# Allegro board TNR_REV00_150306.brd (continued)
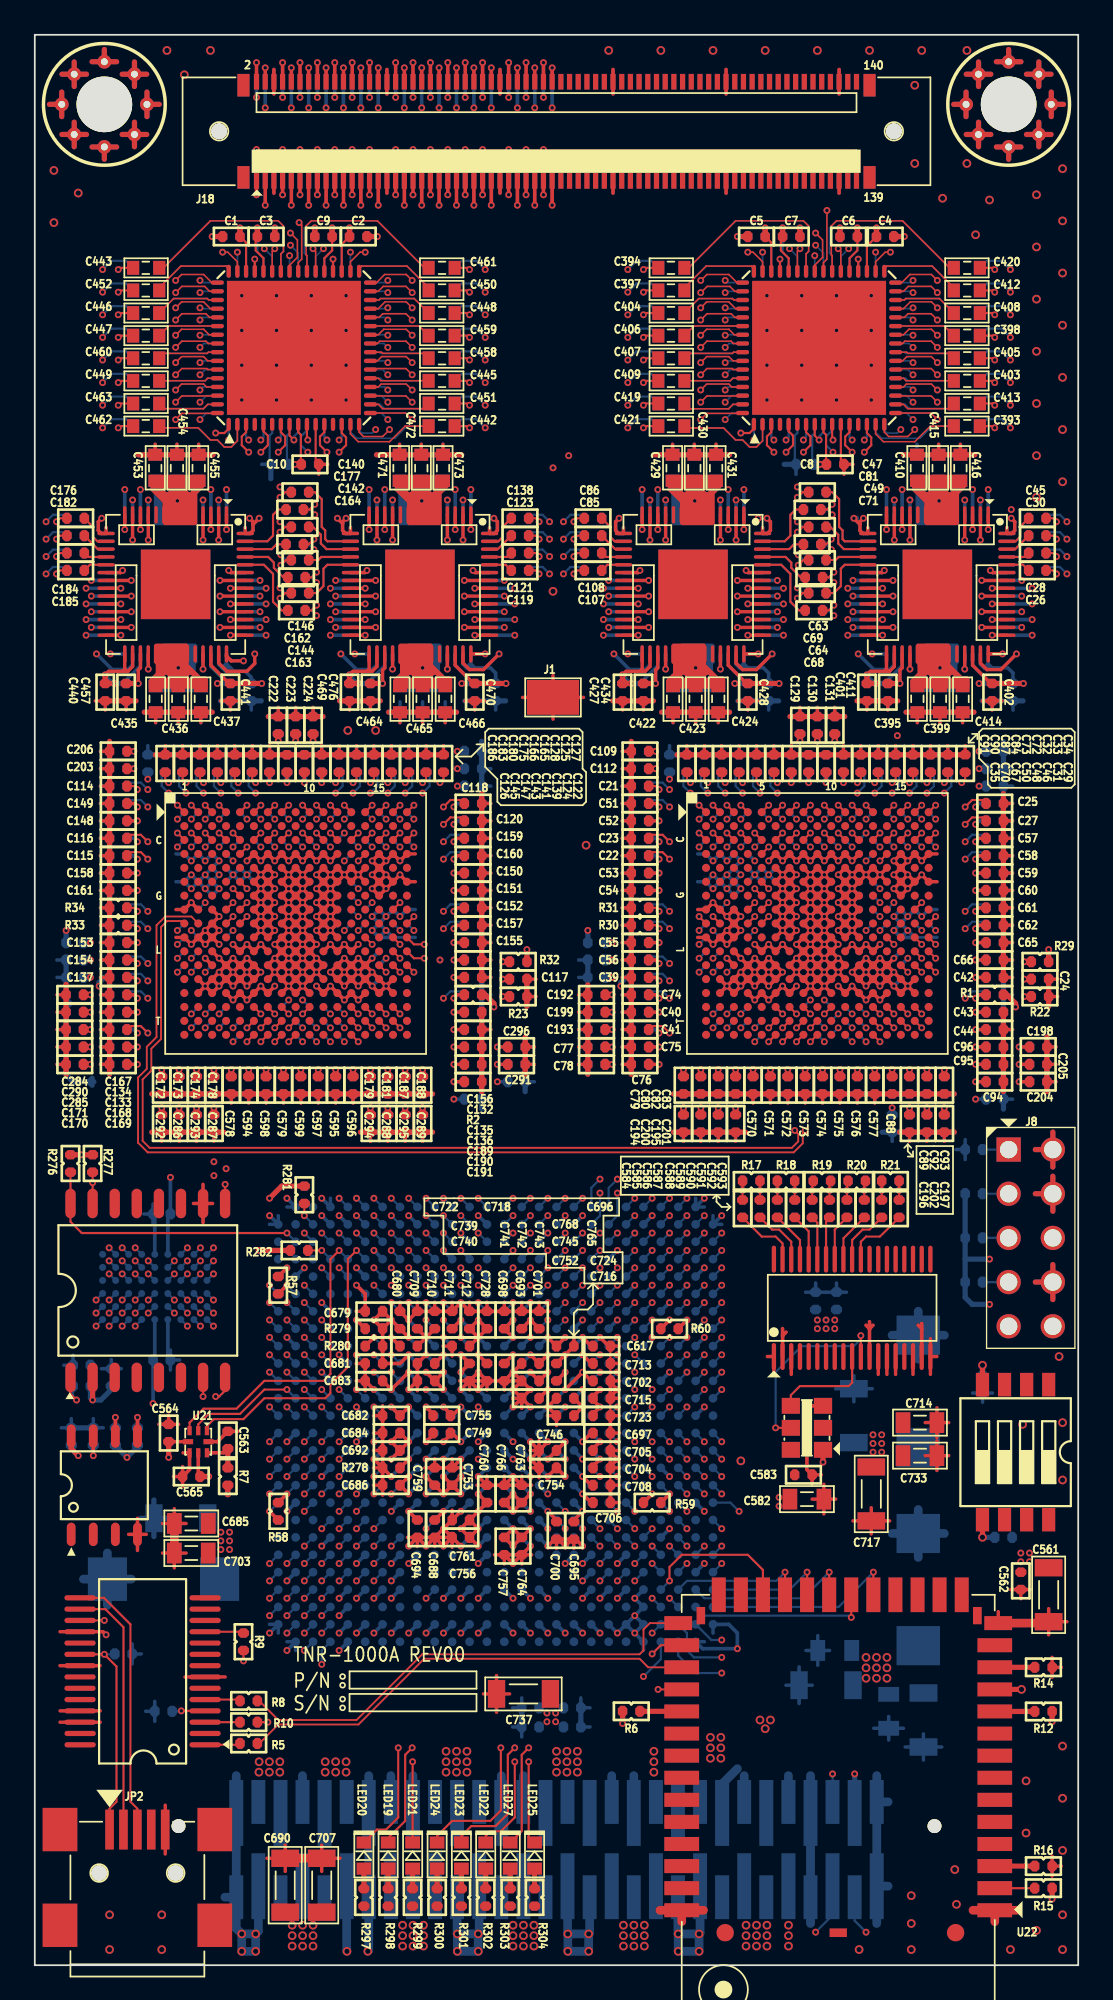
[diagram p0: board, top side]
## Routing (per net, layer and track width the routed paths; a pad name or vN(x,y) marks a point on that pad's centre or on a via; arc(x,y) is an arc through that point) (continued)
  vias: v1(29.45,14.5) v1(29.45,14) v1(29.95,14.5) v1(29.95,14) v1(48.2,30.5) v1(48.2,30) v1(48.2,29.5) v1(48.7,30.5) v1(48.7,30) v1(48.7,29.5) v2(27.5,2.3) v2(27.5,1.7) v2(27.5,1.1) v2(28.1,2.3) v2(28.1,1.7) v2(28.1,1.1) v2(28.7,2.3) v2(28.7,1.7) v2(28.7,1.1)
+D3P3: length 7.9
  TOP w0.3: v1(12.9,41.1) R282.1 ; U28.2 v1(3.33,32.5) ; R277.1 v1(2.7,46.6) R276.1
  BOTTOM w0.3: C618.2 R283.1 3.2,32.62 v1(3.33,32.5) 3.8,32.5 4.4,33.1 C616.2
  vias: v2(21.15,2.3) v2(21.15,1.7) v2(21.15,1.1) v2(21.75,2.3) v2(21.75,1.7) v2(21.75,1.1) v2(22.35,2.3) v2(22.35,1.7) v2(22.35,1.1)
+D3P3_FPGA: length 69.5
  TOP w0.21: C694.1 v1(21.5,26.1) ; C692.1 v1(21.5,30.1) C684.1 v1(20.5,30.1) C692.1 ; C692.1 v1(20.5,29.1) ; v1(27.5,37.1) C698.1 v1(27.5,36.1) ; C688.1 v1(23.5,26.1) ; C693.1 v1(28.5,37.1) C701.1 ; v1(21.5,35.1) 21,34.6 C681.1 R280.2 R279.2 ; C695.1 31,25.6 v1(31.5,26.1) ; v1(31.5,30.1) U88.P8 C697.1 ; v1(32.5,29.1) 32.1,28.7 C704.1 ; v1(31.5,28.1) 32,27.6 C708.1 ; v1(32.5,30.1) 32.1,29.7 C705.1 ; v1(30.5,33.1) v1(31.5,34.1) 32,33.6 C702.1 ; v1(21.5,34.1) v1(20.5,33.1) C683.1 ; v1(31.5,36.1) 32,35.6 C617.2 ; R279.2 v1(19.5,37.1) C679.1 v1(20.5,37.1) ; R279.2 v1(20.5,37.1) ; v1(29.5,26.1) 30,25.6 C700.1 ; v1(20.5,37.1) C680.1 v1(21.5,36.1) ; v1(20.5,32.1) C682.1 v1(21.5,32.1) ; C706.1 32,26.6 v1(31.5,27.1) ; v1(21.5,27.1) C686.1 v1(21.5,28.1) ; v1(30.5,36.1) C696.1 v1(29.5,36.1)
  TOP w0.3: R281.2 14.2,44.8 v1(13.5,44.1)
  5-PWR w0.3: J8.6 58.54,42.83 ; J8.6 58.54,40.81 ; J8.6 57.53,41.82
  BOTTOM w0.21: C680.1 v1(20.5,37.1) ; U88.J18 v1(21.5,36.1) ; U88.T9 v1(31.5,28.1) ; C696.1 v1(30.5,36.1) ; U88.V9 v1(31.5,26.1) ; U88.J9 v1(31.5,36.1) ; U88.V11 v1(29.5,26.1) ; U88.N18 v1(21.5,32.1) ; C698.1 v1(27.5,37.1) ; U88.M10 v1(30.5,33.1) ; C684.1 v1(20.5,30.1) ; U88.H7 v1(33.5,37.1) ; U88.V18 v1(21.5,26.1) ; C692.1 v1(20.5,29.1) ; U88.U18 v1(21.5,27.1) ; U88.J16 v1(23.5,36.1) ; U88.R8 v1(32.5,29.1) ; U88.L18 v1(21.5,34.1) ; U88.P8 v1(32.5,30.1) ; U88.P9 v1(31.5,30.1) ; U88.J13 v1(27.5,36.1) ; U88.R10 v1(30.5,29.1) ; U88.M17 v1(22.5,33.1) ; U88.V16 v1(23.5,26.1) ; R279.2 v1(19.5,37.1) ; C693.1 v1(28.5,37.1) ; U88.J11 v1(29.5,36.1) ; U88.T18 v1(21.5,28.1) ; U88.R17 v1(22.5,29.1) ; U88.U9 v1(31.5,27.1) ; U88.M19 v1(20.5,33.1) ; C682.1 v1(20.5,32.1) ; U88.K18 v1(21.5,35.1) ; U88.L9 v1(31.5,34.1) ; U88.P18 v1(21.5,30.1)
  BOTTOM w0.3: v1(54.9,38) 53.9,38 53.5,38.4 R275.1 53.5,40.6 ; R273.1 R274.1 53.5,40.6 ; 53.5,40.6 v1(54.9,40.6)
  vias: v1(10.7,24.9) v1(10.7,24.4) v1(10.7,23.9) v1(11.2,24.9) v1(11.2,24.4) v1(11.2,23.9) v2(14.8,2.3) v2(14.8,1.7) v2(14.8,1.1) v2(15.4,2.3) v2(15.4,1.7) v2(15.4,1.1) v2(16,2.3) v2(16,1.7) v2(16,1.1)
-A3P3: length 21.3
  TOP w0.2: v1(35.7,73.7) 35.7,74.47 35.83,74.6 U14.31 ; v1(49.75,73.7) 49.75,74.47 49.88,74.6 U13.31 ; 6.08,75.4 6.08,74.6 5.95,74.47 v1(5.95,73.7) ; v1(20,73.7) 20,74.47 20.12,74.6 U16.31
  TOP w0.3: C457.1 v1(5.95,73.7) ; C434.1 v1(35.7,73.7) ; C476.1 v1(20,73.7) ; C411.1 v1(49.75,73.7)
  BOTTOM w0.2: U18.31 10.12,74.67 11.1,73.7 ; U20.31 53.92,74.75 54.98,73.7 ; 40.92,73.7 39.88,74.75 U19.31 ; 25.23,73.7 24.18,74.75 24.18,75.4
  BOTTOM w0.3: v1(24.55,73.7) C503.1 ; C560.1 v1(54.3,73.7) ; v1(40.25,73.7) C543.1 ; v1(10.5,73.7) C518.1
  vias: v2(41.7,14.1) v2(42,13.6) v2(42.3,14.1)
ADCM1: length 56.7
  TOP w0.125: U6.T16 v1(51,53.9)
  8-IN w0.085: v1(51,53.9) 51.16,54.06 51.46,54.06 51.8,54.4 51.8,55.1 51.5,55.4 49.8,55.4 49.5,55.1 47.7,55.1 47.4,54.8 47.4,52.9 47.67,52.63 47.67,50.78 47.59,50.7 47.36,50.7 arc(47.04,50.57) 46.91,50.26 46.91,49.94 arc(46.74,49.77) 46.57,49.94 46.57,50.26 arc(46.44,50.57) 46.13,50.7 45.5,50.7 45.07,50.27 45.07,43.47 40.34,38.74 13.56,38.74 13.5,38.8 v1(13.5,39.1)
  BOTTOM w0.125: U88.F26 v1(13.5,39.1)
ADCM2: length 56.4
  TOP w0.125: U6.T15 v1(50.2,53.9)
  8-IN w0.085: v1(16.5,37.1) 16.5,36.8 16.56,36.74 41.24,36.74 42.6,38.1 49.01,38.1 50.67,39.76 50.67,47.49 arc(51.11,47.93) 51.56,47.49 51.56,47.04 arc(51.73,46.88) 51.9,47.04 51.9,48.1 arc(51.85,48.22) 51.73,48.27 51.11,48.27 arc(50.8,48.4) 50.67,48.71 50.67,51.94 50.33,52.29 50.33,52.57 arc(50.26,52.74) 50.09,52.81 49.73,52.81 arc(49.5,53.04) 49.73,53.27 50.09,53.27 arc(50.26,53.34) 50.33,53.51 50.33,53.77 v1(50.2,53.9)
  BOTTOM w0.125: U88.H23 v1(16.5,37.1)
ADCM3: length 56.2
  TOP w0.125: U6.T14 v1(49.4,53.9)
  12-IN w0.085: v1(20.5,34.1) 20.5,34.4 20.56,34.46 20.81,34.46 21.14,34.79 21.14,44.75 21.31,44.92 29.01,44.92 29.79,45.7 48.2,45.7 48.95,46.45 48.95,49.57 arc(48.5,50.01) 48.06,49.57 48.06,47.14 arc(47.89,46.98) 47.72,47.14 47.72,50.18 arc(47.77,50.3) 47.89,50.35 48.5,50.35 arc(48.81,50.48) 48.95,50.8 48.95,52.16 49.27,52.49 49.27,53.77 v1(49.4,53.9)
  BOTTOM w0.125: U88.L19 v1(20.5,34.1)
ADCM4: length 56.5
  TOP w0.125: U6.U13 v1(48.6,53.1)
  8-IN w0.085: v1(17.5,35.1) 17.2,35.1 17.14,35.04 17.14,34.74 16.9,34.5 16.2,34.5 15.86,34.84 15.86,37.35 16.25,37.74 40.95,37.74 42.39,39.17 48.69,39.17 49.07,39.56 49.07,46.58 arc(49,46.74) 48.84,46.81 47.91,46.81 arc(47.4,47.32) 47.91,47.82 48.84,47.82 arc(49,47.89) 49.07,48.06 49.07,48.39 48.67,48.79 48.67,53.03 v1(48.6,53.1)
  BOTTOM w0.125: U88.K22 v1(17.5,35.1)
ADCM5: length 56.5
  TOP w0.125: U6.U8 v1(43.8,53.1)
  12-IN w0.085: v1(15.5,36.1) 15.5,35.8 15.56,35.74 17.69,35.74 17.86,35.91 17.86,46.16 18.3,46.6 27.71,46.6 28.7,47.59 28.7,49.8 29,50.1 31.53,50.1 arc(31.85,49.97) 31.98,49.66 31.98,49.04 arc(32.15,48.88) 32.32,49.04 32.32,49.66 arc(32.76,50.1) 33.21,49.66 33.21,48.84 arc(33.38,48.67) 33.55,48.84 33.55,49.66 arc(33.99,50.1) 34.43,49.66 34.43,48.74 arc(34.6,48.58) 34.77,48.74 34.77,49.66 arc(35.22,50.1) 35.66,49.66 35.66,48.74 arc(35.83,48.58) 36,48.74 36,49.66 arc(36.13,49.97) 36.45,50.1 42.52,50.1 arc(42.64,50.15) 42.69,50.27 42.69,50.33 arc(42.86,50.5) 43.03,50.33 43.03,50.27 arc(43.08,50.15) 43.2,50.1 43.41,50.1 43.67,50.36 43.67,50.6 43.57,50.7 43.3,50.7 43.21,50.79 43.21,50.91 43.3,51 43.6,51 43.67,51.07 43.67,52.07 43.92,52.33 43.92,52.98 v1(43.8,53.1)
  BOTTOM w0.125: U88.J24 v1(15.5,36.1)
ADCM6: length 56.6
  TOP w0.125: U6.U7 v1(43,53.1)
  12-IN w0.085: v1(18.5,33.1) 18.84,33.44 18.84,33.56 18.78,33.62 17.31,33.62 17.15,33.47 15.23,33.47 14.86,33.84 14.86,36.46 15.14,36.74 16.65,36.74 16.86,36.95 16.86,46.86 17.3,47.3 27.27,47.3 27.9,47.93 27.9,50.6 28.3,51 29.49,51 arc(29.61,51.05) 29.66,51.17 29.66,51.76 arc(30.11,52.2) 30.55,51.76 30.55,51.17 arc(30.72,51) 30.89,51.17 30.89,51.76 arc(31.33,52.2) 31.78,51.76 31.78,51.17 arc(31.83,51.05) 31.95,51 33.88,51 arc(34,51.05) 34.05,51.17 34.05,51.33 arc(34.22,51.5) 34.39,51.33 34.39,51.17 arc(34.44,51.05) 34.56,51 42.4,51 42.67,51.27 42.67,52.16 43.12,52.61 43.12,52.98 v1(43,53.1)
  BOTTOM w0.125: U88.M21 v1(18.5,33.1)
ADCM7: length 56.7
  TOP w0.125: U6.R6 v1(43,54.7)
  8-IN w0.085: v1(18.5,32.1) 18.14,32.46 14.25,32.46 12.82,33.89 12.82,39.31 13.25,39.74 39.94,39.74 42.07,41.87 42.07,46.76 42.67,47.36 42.67,52.53 42.6,52.6 42.6,54.3 v1(43,54.7)
  BOTTOM w0.125: U88.N21 v1(18.5,32.1)
ADCM8: length 56.4
  TOP w0.125: U6.U6 v1(42.2,53.1)
  12-IN w0.085: v1(17.5,32.1) 17.24,32.1 17.14,32.2 17.14,32.45 16.85,32.74 14.36,32.74 14.13,32.97 14.13,37.25 14.35,37.46 15.76,37.46 16.14,37.84 16.14,47.55 16.31,47.73 27.02,47.73 27.38,48.08 27.38,53.09 27.51,53.23 27.97,53.23 arc(28.09,53.18) 28.14,53.06 28.14,52.64 arc(28.58,52.2) 29.03,52.64 29.03,53.06 arc(29.08,53.18) 29.19,53.23 32.29,53.23 32.48,53.04 32.48,52.42 32.74,52.16 41.76,52.16 42,52.4 42.4,52.4 42.49,52.49 42.49,52.61 42.4,52.7 42.17,52.7 42.08,52.8 42.08,52.98 v1(42.2,53.1)
  BOTTOM w0.125: U88.N22 v1(17.5,32.1)
ADCM9: length 56.5
  TOP w0.125: U8.T16 v1(21,53.9)
  4-IN w0.085: v1(15.5,29.1) 15.5,29.4 15.56,29.46 21.76,29.46 22.14,29.84 22.14,44.39 23.68,45.92 23.68,52.61 23.41,52.88 22.99,52.88 22.73,52.61 22.73,46.51 22.49,46.27 22.11,46.27 21.95,46.44 21.95,52.24 22.38,52.67 22.38,56.41 22.11,56.67 21.69,56.67 21.43,56.41 21.43,53.11 21.27,52.96 20.93,52.96 20.88,53.01 20.88,53.1 20.98,53.2 21,53.2 21.09,53.29 21.09,53.41 21,53.5 20.9,53.5 20.88,53.52 20.88,53.77 v1(21,53.9)
  BOTTOM w0.125: U88.R24 v1(15.5,29.1)
ADCM10: length 56.4
  TOP w0.125: U8.T15 v1(20.2,53.9)
  11-IN w0.085: v1(18.5,27.1) 18.86,27.46 23.79,27.46 24.13,27.8 24.13,47.03 24.95,47.85 24.95,50.7 arc(25,50.82) 25.12,50.87 25.56,50.87 arc(26,51.31) 25.56,51.75 25.12,51.75 arc(24.95,51.92) 25.12,52.09 25.56,52.09 arc(26,52.54) 25.56,52.98 25.12,52.98 arc(24.95,53.15) 25.12,53.32 25.56,53.32 arc(26,53.77) 25.56,54.21 25.12,54.21 arc(24.95,54.38) 25.12,54.55 25.56,54.55 arc(26,54.99) 25.56,55.44 25.12,55.44 arc(25,55.49) 24.95,55.61 24.95,56.05 24.62,56.38 23.07,56.38 22.73,56.02 22.73,52.41 22.59,52.27 21.65,52.27 arc(21.48,52.44) 21.65,52.61 21.93,52.61 arc(22.37,53.06) 21.93,53.5 21.04,53.5 arc(20.73,53.37) 20.6,53.06 20.6,52.44 arc(20.55,52.32) 20.43,52.27 20.21,52.27 20.07,52.41 20.07,53.38 20.2,53.5 20.4,53.5 20.5,53.6 20.5,53.72 20.32,53.9 v1(20.2,53.9)
  BOTTOM w0.125: U88.U21 v1(18.5,27.1)
ADCM11: length 56.6
  TOP w0.125: U8.T14 v1(19.4,53.9)
  4-IN w0.085: v1(15.5,28.1) 15.2,28.1 15.14,28.16 15.14,30.55 15.21,30.62 20.82,30.62 21.14,30.94 21.14,45.45 20.95,45.64 20.95,49.92 arc(20.81,50.23) 20.5,50.36 18.86,50.36 arc(18.54,50.23) 18.41,49.92 18.41,48.08 arc(18.36,47.96) 18.24,47.91 16.29,47.91 arc(16.12,48.08) 16.29,48.25 17.63,48.25 arc(18.07,48.69) 17.63,49.14 16.19,49.14 arc(16.02,49.31) 16.19,49.48 17.63,49.48 arc(18.07,49.92) 17.63,50.36 16.14,50.36 arc(15.97,50.53) 16.14,50.7 20.5,50.7 arc(20.81,50.83) 20.95,51.15 20.95,51.84 20.51,52.27 19.41,52.27 19.27,52.41 19.27,52.83 arc(19.32,52.95) 19.44,52.99 19.73,52.99 arc(19.9,53.16) 19.73,53.33 19.44,53.33 arc(19.32,53.38) 19.27,53.5 19.27,53.79 19.39,53.9 v1(19.4,53.9)
  BOTTOM w0.125: U88.T24 v1(15.5,28.1)
ADCM12: length 56.7
  TOP w0.125: U8.U13 v1(18.6,53.1)
  11-IN w0.085: v1(18.6,53.1) 19,53.1 19.1,53 19.1,52.8 19,52.7 18.6,52.7 18.46,52.56 18.46,52.36 17.93,51.83 17.93,51.16 18.41,50.67 22.12,50.67 23.14,49.66 23.14,48.82 arc(23.01,48.51) 22.69,48.38 19.62,48.38 arc(19.5,48.33) 19.45,48.21 19.45,46.14 arc(19.62,45.98) 19.79,46.14 19.79,47.6 arc(20.24,48.04) 20.68,47.6 20.68,46.14 arc(20.85,45.98) 21.02,46.14 21.02,47.6 arc(21.46,48.04) 21.91,47.6 21.91,46.14 arc(22.08,45.98) 22.25,46.14 22.25,47.6 arc(22.69,48.04) 23.14,47.6 23.14,31.24 22.82,30.93 17.41,30.93 17.14,30.65 17.14,27.16 17.2,27.1 v1(17.5,27.1)
  BOTTOM w0.125: U88.U22 v1(17.5,27.1)
ADCM13: length 56.4
  TOP w0.125: U8.U8 v1(13.8,53.1)
  3-IN w0.085: v1(13.8,53.1) 13.68,52.98 13.68,52.12 13.95,51.85 13.95,50.55 13.32,49.92 12.13,49.92 arc(12.01,49.88) 11.96,49.76 11.96,49.04 arc(11.52,48.6) 11.08,49.04 11.08,49.76 arc(11.03,49.88) 10.91,49.92 10.31,49.92 9.94,49.55 9.94,48.95 9.57,48.59 9.57,47.78 arc(9.74,47.61) 9.91,47.78 9.91,47.99 arc(10.03,48.26) 10.3,48.37 10.36,48.37 arc(10.67,48.24) 10.8,47.93 10.8,47.17 arc(10.67,46.85) 10.36,46.72 9.74,46.72 arc(9.62,46.67) 9.57,46.55 9.57,44.61 9.79,44.4 11.4,44.4 11.7,44.1 11.7,35.5 11.32,35.12 8.91,35.12 8.47,34.69 8.47,34.28 arc(8.52,34.16) 8.64,34.11 8.91,34.11 9,34.2 9,34.55 9.24,34.8 9.77,34.8 10.01,34.55 10.01,34.2 10.1,34.11 10.76,34.11 arc(11.2,33.67) 10.76,33.22 8.64,33.22 arc(8.52,33.17) 8.47,33.05 8.47,32.61 8.61,32.48 9.32,32.48 12.7,29.1 12.7,26.4 13.41,25.69 15.5,25.69 15.82,26.01 15.82,26.39 15.75,26.46 15.24,26.46 15.2,26.5 15.2,26.8 15.1,26.9 15,26.9 14.9,26.8 14.9,26.1 15,26 15.4,26 v1(15.5,26.1)
  BOTTOM w0.125: U88.V24 v1(15.5,26.1)
ADCM14: length 56.5
  TOP w0.125: U8.U7 v1(13,53.1)
  3-IN w0.085: v1(13,53.1) 12.88,52.98 12.88,52 12.95,51.93 12.95,51.16 12.51,50.73 9.21,50.73 8.94,50.45 8.94,48.95 8.57,48.59 8.57,42.31 8.81,42.08 9.03,42.08 arc(9.15,42.12) 9.2,42.24 9.2,42.76 arc(9.64,43.2) 10.08,42.76 10.08,42.24 arc(10.13,42.12) 10.25,42.08 10.61,42.08 10.97,41.71 10.97,36.38 10.53,35.92 8.61,35.92 7.78,35.09 7.78,31.41 7.93,31.26 arc(8.05,31.21) 8.16,31.26 8.6,31.7 arc(8.91,31.83) 9.23,31.7 11.8,29.13 arc(11.93,28.81) 11.8,28.5 11.8,28.5 arc(11.48,28.37) 11.17,28.5 9.03,30.63 arc(8.79,30.63) 8.79,30.4 11.9,27.29 11.9,26.29 13.21,24.98 15.57,24.98 16.34,25.74 16.87,25.74 17.2,25.41 17.89,25.41 17.99,25.31 17.99,25.19 17.9,25.1 v1(17.5,25.1)
  BOTTOM w0.125: U88.W22 v1(17.5,25.1)
ADCM15: length 56.3
  TOP w0.125: U8.R6 v1(13,54.7)
  3-IN w0.085: v1(19.5,24.1) 19.8,24.1 19.86,24.04 19.86,22.95 19.65,22.73 11.16,22.73 4.2,29.7 4.2,33.5 3.1,34.6 3.1,41.7 4.2,42.8 4.2,49 8.4,53.2 8.4,54.6 8.9,55.1 10.71,55.1 11.01,54.8 11.22,54.8 arc(11.34,54.75) 11.39,54.63 11.39,54.47 arc(11.56,54.3) 11.73,54.47 11.73,54.63 arc(11.9,54.8) 12.07,54.63 12.07,54.47 arc(12.24,54.3) 12.41,54.47 12.41,54.7 arc(12.44,54.77) 12.5,54.8 12.6,54.8 12.93,55.13 13.18,55.13 13.26,55.05 13.26,54.76 13.2,54.7 v1(13,54.7)
  BOTTOM w0.125: U88.Y20 v1(19.5,24.1)
ADCM16: length 56.5
  TOP w0.125: U8.U6 v1(12.2,53.1)
  3-IN w0.085: v1(12.2,53.1) 12.07,52.98 12.07,52.49 11.81,52.23 8.51,52.23 7.94,51.65 7.94,48.94 7.28,48.27 7.28,35.98 6.81,35.51 5.69,35.51 5.47,35.29 5.47,35.05 arc(5.52,34.93) 5.64,34.88 6.26,34.88 arc(6.57,34.75) 6.7,34.43 6.7,33.1 arc(6.26,32.65) 5.81,33.1 5.81,33.82 arc(5.64,33.99) 5.47,33.82 5.47,30.11 5.71,29.88 arc(5.83,29.83) 5.95,29.88 6.67,30.6 arc(6.99,30.73) 7.3,30.6 arc(7.43,30.28) 7.3,29.97 6.58,29.25 arc(6.53,29.13) 6.58,29.01 7.45,28.13 arc(7.57,28.08) 7.69,28.13 8.22,28.66 arc(8.53,28.79) 8.84,28.66 arc(8.97,28.34) 8.84,28.03 8.32,27.51 arc(8.27,27.39) 8.32,27.27 8.68,26.91 arc(8.8,26.86) 8.92,26.91 9.39,27.38 arc(9.7,27.51) 10.02,27.38 arc(10.15,27.07) 10.02,26.75 9.55,26.28 arc(9.5,26.16) 9.55,26.04 9.74,25.84 11.26,25.84 12.1,25 12.1,23.89 12.25,23.74 14.44,23.74 arc(14.56,23.79) 14.61,23.91 14.61,24.13 arc(14.78,24.3) 14.95,24.13 14.95,23.91 arc(15,23.79) 15.12,23.74 15.87,23.74 16.2,23.41 16.2,23.2 16.3,23.1 v1(16.5,23.1)
  BOTTOM w0.125: U88.AA23 v1(16.5,23.1)
ADCM17: length 56.4
  8-IN w0.085: v1(34.5,30.1) 34.8,30.1 34.86,30.04 34.86,29.86 34.74,29.74 10.86,29.74 7.28,33.33 7.28,43.23 5.88,44.62 5.88,47.89 6.11,48.12 8.4,48.12 8.95,48.66 8.95,51.85 arc(8.99,51.97) 9.11,52.02 9.33,52.02 arc(9.5,52.19) 9.33,52.36 9.11,52.36 arc(8.95,52.53) 9.11,52.7 9.33,52.7 arc(9.5,52.87) 9.33,53.04 9.11,53.04 arc(8.99,53.09) 8.95,53.21 8.95,53.43 8.88,53.5 8.88,53.77 v1(9,53.9)
  BOTTOM w0.125: U88.P6 v1(34.5,30.1) ; U10.T16 v1(9,53.9)
ADCM18: length 56.5
  9-IN w0.085: v1(38.5,29.1) 38.8,29.1 38.86,29.04 38.86,28.85 38.75,28.74 19.36,28.74 18.14,29.96 18.14,30.46 17.14,31.46 17.14,44.5 16.56,45.08 12.61,45.08 12.38,45.31 12.38,46.33 11.4,47.3 9.19,47.3 8.94,47.55 8.94,52.74 9.1,52.9 9.2,52.9 9.4,52.7 9.4,52.4 9.5,52.3 9.7,52.3 9.8,52.4 9.8,52.8 9.5,53.1 9.5,53.3 9.68,53.48 9.68,53.77 v1(9.8,53.9)
  BOTTOM w0.125: U88.R2 v1(38.5,29.1) ; U10.T15 v1(9.8,53.9)
ADCM19: length 56.6
  9-IN w0.085: v1(34.5,29.1) 34.8,29.1 34.86,29.16 34.86,29.35 34.75,29.46 19.25,29.46 18.86,29.85 18.86,30.55 17.86,31.55 17.86,45.45 17.41,45.9 13.9,45.9 11.1,48.7 arc(11.1,49.33) 11.73,49.33 13.98,47.07 arc(14.1,47.02) 14.22,47.07 arc(14.27,47.19) 14.22,47.31 11.3,50.24 arc(11.18,50.29) 11.06,50.24 10.88,50.06 arc(10.64,50.06) 10.64,50.3 10.82,50.48 arc(10.87,50.6) 10.82,50.72 10.67,50.87 10.67,52.04 10.3,52.41 10.3,53.29 10.72,53.71 10.72,53.77 v1(10.6,53.9)
  BOTTOM w0.125: U88.R6 v1(34.5,29.1) ; U10.T14 v1(10.6,53.9)
ADCM20: length 56.6
  9-IN w0.085: v1(11.4,53.1) 11.28,52.98 11.28,52.81 11.94,52.15 11.94,51.15 12.51,50.58 15.12,50.58 19.14,46.56 19.14,31.95 20.21,30.88 41.52,30.88 41.9,30.5 41.9,27.8 41.56,27.46 40.61,27.46 arc(40.49,27.41) 40.44,27.29 40.44,27.27 arc(40.27,27.1) 40.1,27.27 40.1,27.29 arc(40.05,27.41) 39.93,27.46 39.56,27.46 39.5,27.4 v1(39.5,27.1)
  BOTTOM w0.125: U88.U1 v1(39.5,27.1) ; U10.U13 v1(11.4,53.1)
ADCM21: length 56.5
  3-IN w0.085: v1(34.5,28.1) 34.8,28.1 34.86,28.16 34.86,28.35 34.75,28.46 34.23,28.46 34.14,28.38 34.14,27.74 33.86,27.46 33.63,27.46 arc(33.51,27.41) 33.46,27.29 33.46,27.07 arc(33.29,26.9) 33.12,27.07 33.12,27.29 arc(33.07,27.41) 32.95,27.46 28.14,27.46 27.86,27.73 27.86,29.35 27.75,29.46 21.14,29.46 20.86,29.74 20.86,30.52 arc(20.81,30.64) 20.69,30.69 19.44,30.69 arc(19,31.13) 19.44,31.58 20.69,31.58 arc(20.81,31.63) 20.86,31.75 20.86,44.84 17.89,47.81 arc(17.65,47.81) 17.65,47.57 19.85,45.37 arc(19.98,45.06) 19.85,44.75 arc(19.53,44.62) 19.22,44.75 16.67,47.29 16.67,51.83 16.32,52.17 16.32,52.98 v1(16.2,53.1)
  BOTTOM w0.125: U10.U8 v1(16.2,53.1) ; U88.T6 v1(34.5,28.1)
ADCM22: length 56.6
  3-IN w0.085: v1(32.5,28.1) 32.1,28.1 32,28.2 32,28.4 32.1,28.5 32.7,28.5 32.86,28.66 32.86,29.36 33.23,29.73 40.05,29.73 40.12,29.81 40.12,30.39 40.05,30.46 22.34,30.46 21.86,30.94 21.86,44.94 17.67,49.13 17.67,49.78 arc(17.8,50.1) 18.11,50.23 18.86,50.23 arc(19.02,50.4) 18.86,50.57 18.11,50.57 arc(17.8,50.7) 17.67,51.01 17.67,51.84 17.12,52.39 17.12,52.98 v1(17,53.1)
  BOTTOM w0.125: U88.T8 v1(32.5,28.1) ; U10.U7 v1(17,53.1)
ADCM23: length 56.7
  3-IN w0.085: v1(17.8,54.7) 17.9,54.6 18.2,54.6 18.5,54.3 18.8,54.3 19,54.1 19,53.79 19.41,53.38 20.32,53.38 20.95,52.76 20.95,48.76 24.14,45.56 24.14,32.85 24.25,32.73 41.77,32.73 42.17,32.33 42.17,27.48 41.23,26.52 40.23,26.52 39.16,25.46 37.15,25.46 36.86,25.75 36.86,26.04 36.8,26.1 v1(36.5,26.1)
  BOTTOM w0.125: U88.V4 v1(36.5,26.1) ; U10.R6 v1(17.8,54.7)
ADCM24: length 56.6
  3-IN w0.085: v1(17.8,53.1) 17.93,52.98 17.93,52.69 18.41,52.2 19.51,52.2 19.67,52.04 19.67,48.34 22.86,45.15 22.86,31.74 23.2,31.4 40.91,31.4 41.12,31.19 41.12,28.01 40.85,27.73 34.95,27.73 33.61,26.4 33.05,26.4 32.96,26.31 32.96,26.19 33.05,26.1 v1(33.5,26.1)
  BOTTOM w0.125: U10.U6 v1(17.8,53.1) ; U88.V7 v1(33.5,26.1)
ADCM25: length 56.7
  9-IN w0.085: v1(37.5,41.1) 37.5,41.4 37.56,41.46 38.76,41.46 39.13,41.83 39.13,43.54 39.36,43.77 39.36,44.9 arc(39.41,45.02) 39.53,45.07 41.37,45.07 arc(41.68,45.2) 41.81,45.52 41.81,48.48 arc(41.37,48.93) 40.92,48.48 40.92,46.13 arc(40.76,45.96) 40.59,46.13 40.59,48.28 arc(40.14,48.73) 39.7,48.28 39.7,46.23 arc(39.53,46.06) 39.36,46.23 39.36,48.23 arc(38.91,48.67) 38.47,48.23 38.47,44.98 arc(38.3,44.81) 38.13,44.98 38.13,45.15 arc(38,45.47) 37.69,45.6 36.94,45.6 arc(36.77,45.76) 36.94,45.93 37.69,45.93 arc(38,46.06) 38.13,46.38 38.13,48.8 37.95,48.98 37.95,49.9 arc(37.81,50.22) 37.5,50.35 36.85,50.35 arc(36.54,50.22) 36.41,49.9 36.41,49.64 arc(36.36,49.52) 36.25,49.48 36.24,49.48 arc(36.12,49.52) 36.07,49.64 36.07,49.9 arc(35.94,50.22) 35.63,50.35 35.54,50.35 arc(35.38,50.52) 35.54,50.69 37.5,50.69 arc(37.81,50.82) 37.95,51.13 37.95,51.84 37.58,52.21 36.74,52.21 arc(36.58,52.37) 36.74,52.54 38.06,52.54 38.6,52 40.7,52 40.92,52.22 40.92,52.98 40.7,53.2 39.5,53.2 39.2,53.5 38,53.5 37.95,53.55 37.95,53.67 38.45,54.16 38.74,54.16 v1(39,53.9)
  BOTTOM w0.125: U11.T16 v1(39,53.9) ; U88.D3 v1(37.5,41.1)
ADCM26: length 56.7
  8-IN w0.085: v1(39.5,42.1) 39.5,41.88 39.6,41.77 39.69,41.77 39.85,41.94 39.85,44.15 39.4,44.6 36.5,44.6 35.5,45.6 35.5,47.63 arc(35.94,48.08) 36.39,47.63 36.39,46.37 arc(36.56,46.2) 36.73,46.37 36.73,47.63 arc(37.17,48.08) 37.62,47.63 37.62,45.77 arc(37.79,45.6) 37.96,45.77 37.96,47.63 arc(38.4,48.08) 38.84,47.63 38.84,45.77 arc(39.01,45.6) 39.18,45.77 39.18,47.63 arc(39.63,48.08) 40.07,47.63 40.07,45.77 arc(40.24,45.6) 40.41,45.77 40.41,48.25 arc(40.36,48.37) 40.24,48.42 35.94,48.42 arc(35.63,48.55) 35.5,48.86 35.5,49.6 35.9,50 39.6,50 39.7,50.1 39.7,50.5 39.6,50.6 37,50.6 36.5,51.1 36.5,52.9 37.2,53.6 37.2,55 37.95,55.76 39.65,55.76 40.2,55.2 40.2,54.5 39.8,54.1 v1(39.8,53.9)
  BOTTOM w0.125: U88.C1 v1(39.5,42.1) ; U11.T15 v1(39.8,53.9)
ADCM27: length 56.7
  9-IN w0.085: v1(36.5,40.1) 36.5,40.4 36.6,40.5 36.8,40.5 37.13,40.83 37.13,44.56 36.61,45.08 36.01,45.08 35.63,45.46 arc(35.58,45.58) 35.63,45.7 36.93,47 arc(37.06,47.32) 36.93,47.63 34.68,49.89 arc(34.36,50.02) 34.05,49.89 34.05,49.89 arc(33.92,49.57) 34.05,49.26 35.87,47.44 arc(35.87,47.2) 35.63,47.2 33.81,49.02 arc(33.49,49.15) 33.18,49.02 arc(33.05,48.7) 33.18,48.39 35,46.57 arc(35,46.33) 34.76,46.33 32.48,48.61 32.48,54.69 32.95,55.16 33.55,55.16 arc(33.67,55.11) 33.72,54.99 33.72,50.94 arc(34.17,50.5) 34.61,50.94 34.61,51.35 arc(34.66,51.47) 34.78,51.52 35.06,51.52 arc(35.5,51.96) 35.06,52.4 34.78,52.4 arc(34.61,52.57) 34.78,52.74 35.06,52.74 arc(35.5,53.19) 35.06,53.63 34.78,53.63 arc(34.66,53.68) 34.61,53.8 34.61,54.99 arc(34.66,55.11) 34.78,55.16 35.05,55.16 35.23,54.99 35.23,54.27 35.49,54.01 37.31,54.01 38.4,55.1 40.01,55.1 40.23,54.89 40.23,54.27 v1(40.6,53.9)
  BOTTOM w0.125: U11.T14 v1(40.6,53.9) ; U88.E4 v1(36.5,40.1)
ADCM28: length 56.6
  9-IN w0.085: v1(41.4,53.1) 41.5,53 41.5,52.76 41.67,52.59 41.67,50.96 41.51,50.8 38.6,50.8 38.38,50.58 38.38,50.02 38.6,49.8 41.61,49.8 42.3,49.11 42.3,45.3 42.6,45 44.81,45 45.06,44.75 45.06,44.15 44.4,43.49 44.4,41.2 42.94,39.74 41.08,39.74 arc(40.91,39.91) 41.08,40.08 42.59,40.08 arc(43.04,40.52) 42.59,40.97 41.08,40.97 arc(40.91,41.14) 41.08,41.3 43.49,41.3 arc(43.94,41.75) 43.49,42.19 41.08,42.19 arc(40.91,42.36) 41.08,42.53 43.63,42.53 44.02,42.92 44.02,43.75 arc(43.89,44.07) 43.58,44.2 43.52,44.2 arc(43.25,44.08) 43.13,43.81 43.13,43.59 arc(42.96,43.42) 42.8,43.59 42.8,43.75 arc(42.66,44.07) 42.35,44.2 42.29,44.2 arc(42.02,44.08) 41.91,43.81 41.91,43.59 arc(41.74,43.42) 41.57,43.59 41.57,43.75 arc(41.44,44.07) 41.12,44.2 41.07,44.2 arc(40.79,44.08) 40.68,43.81 40.68,43.53 arc(40.65,43.45) 40.57,43.42 40.47,43.42 arc(40.15,43.29) 40.02,42.98 40.02,39.91 arc(39.97,39.79) 39.85,39.74 38.14,39.74 37.9,39.5 37.2,39.5 37.1,39.4 37.1,39.2 37.2,39.1 v1(37.5,39.1)
  BOTTOM w0.125: U11.U13 v1(41.4,53.1) ; U88.F3 v1(37.5,39.1)
ADCM29: length 56.3
  9-IN w0.085: v1(46.2,53.9) 46.4,54.1 46.4,54.2 46.3,54.3 44.3,54.3 44.2,54.2 44.2,52.85 44.02,52.67 43.76,52.67 43.67,52.59 43.67,52.23 43.94,51.96 43.94,50.55 46.34,48.14 46.34,47.65 arc(46.21,47.33) 45.9,47.2 44.06,47.2 arc(43.94,47.15) 43.89,47.03 43.89,46.14 arc(44.06,45.98) 44.23,46.14 44.23,46.42 arc(44.67,46.86) 45.12,46.42 45.12,46.14 arc(45.29,45.98) 45.46,46.14 45.46,46.42 arc(45.9,46.86) 46.34,46.42 46.34,41.46 43.58,38.69 43.58,35.49 42.93,34.84 41.6,34.84 arc(41.48,34.79) 41.43,34.67 41.43,33.94 arc(40.98,33.5) 40.54,33.94 40.54,34.67 arc(40.49,34.79) 40.37,34.84 arc(39.93,35.29) 40.37,35.73 42.41,35.73 arc(42.58,35.9) 42.41,36.07 41.07,36.07 arc(40.63,36.51) 41.07,36.96 42.41,36.96 arc(42.58,37.13) 42.41,37.3 41.07,37.3 arc(40.63,37.74) 41.07,38.19 42.41,38.19 arc(42.58,38.36) 42.41,38.52 40.41,38.52 40.3,38.41 40.3,36.8 39.96,36.46 39.56,36.46 39.5,36.4 v1(39.5,36.1)
  BOTTOM w0.125: U11.U8 v1(46.2,53.9) ; U88.J1 v1(39.5,36.1)
ADCM30: length 56.6
  3-IN w0.085: v1(47,53.1) 47,53.3 46.94,53.36 46.75,53.36 46.67,53.29 46.67,52.91 47.11,52.48 47.41,52.48 47.95,51.94 47.95,47.64 48.11,47.48 50.02,47.48 50.48,47.02 50.48,46.63 arc(50.34,46.32) 50.03,46.18 49.74,46.18 arc(49.58,46.02) 49.74,45.85 50.03,45.85 arc(50.34,45.72) 50.48,45.4 50.48,43.96 arc(50.34,43.65) 50.03,43.52 49.44,43.52 arc(49.27,43.35) 49.44,43.18 50.03,43.18 arc(50.48,42.73) 50.03,42.29 49.44,42.29 arc(49.27,42.12) 49.44,41.95 50.03,41.95 arc(50.34,41.82) 50.48,41.5 50.48,39.67 50.02,39.23 42.9,39.23 arc(42.45,39.67) 42.9,40.11 49.16,40.11 arc(49.33,40.28) 49.16,40.45 42.14,40.45 41.92,40.24 41.92,37.44 40.95,36.46 35.6,36.46 35.5,36.36 v1(35.5,36.1)
  BOTTOM w0.125: U88.J5 v1(35.5,36.1) ; U11.U7 v1(47,53.1)
ADCM31: length 56.7
  9-IN w0.085: v1(34.5,36.1) 34.5,36.4 34.4,36.5 34.2,36.5 33.87,36.83 33.87,45.64 31.5,48.01 31.5,58.3 33.02,59.83 33.02,60.06 arc(32.98,60.18) 32.86,60.23 32.44,60.23 arc(32,60.67) 32.44,61.11 32.86,61.11 arc(33.02,61.28) 32.86,61.45 32.44,61.45 arc(32,61.9) 32.44,62.34 32.86,62.34 arc(32.98,62.39) 33.02,62.51 33.02,62.81 33.39,63.17 34.11,63.17 34.55,62.74 34.55,57.04 35.34,56.24 38.94,56.24 39.31,55.88 40.51,55.88 41.31,55.08 42.39,55.08 43.41,56.09 43.41,56.51 43.6,56.7 46.3,56.7 46.56,56.44 46.56,56.14 47.54,55.16 47.54,54.96 v1(47.8,54.7)
  BOTTOM w0.125: U88.J6 v1(34.5,36.1) ; U11.R6 v1(47.8,54.7)
ADCM32: length 56.5
  3-IN w0.085: v1(37.5,36.1) 37.26,36.1 37.2,36.04 37.2,35.8 37.26,35.74 39.92,35.74 arc(40.04,35.79) 40.09,35.91 40.09,35.93 arc(40.26,36.1) 40.43,35.93 40.43,35.91 arc(40.6,35.74) 40.77,35.91 40.77,35.93 arc(40.94,36.1) 41.11,35.93 41.11,35.91 arc(41.28,35.74) 41.45,35.91 41.45,35.93 arc(41.61,36.1) 41.78,35.93 41.78,35.91 arc(41.95,35.74) 42.12,35.91 42.12,35.93 arc(42.29,36.1) 42.46,35.93 42.46,35.91 arc(42.51,35.79) 42.63,35.74 43.25,35.74 arc(43.37,35.79) 43.42,35.91 43.42,36.17 arc(43.55,36.47) 43.85,36.6 43.86,36.6 arc(44.18,36.47) 44.31,36.16 44.31,35.91 arc(44.36,35.79) 44.48,35.74 49.35,35.74 49.8,36.19 49.8,37.41 49.49,37.72 49.23,37.72 arc(49.11,37.67) 49.06,37.55 49.06,37.34 arc(48.93,37.03) 48.61,36.9 48.58,36.9 arc(48.29,37.02) 48.17,37.31 48.17,37.55 arc(48,37.72) 47.83,37.55 47.83,37.34 arc(47.7,37.03) 47.39,36.9 47.35,36.9 arc(47.06,37.02) 46.94,37.31 46.94,37.55 arc(46.89,37.67) 46.77,37.72 43.04,37.72 arc(42.6,38.17) 43.04,38.61 52.13,38.61 arc(52.25,38.66) 52.3,38.78 52.3,47.91 51.89,48.33 49.17,48.33 48.67,48.83 48.67,51.94 47.9,52.71 47.9,53 v1(47.8,53.1)
  BOTTOM w0.125: U11.U6 v1(47.8,53.1) ; U88.J3 v1(37.5,36.1)
